# Altium PCB ZYNQ-7000_SOM_Bd.PcbDoc (part 3 of 6)
Units mm, origin at the board's own origin, x right, y up, seen from the top; angles counter-clockwise.
Board outline 69.6 x 45 mm, 8 copper layers (L1 (Sig), L2 (GND), L3 (PWR), L4 (Sig), L5 (GND), L6 (Sig), L7 (GND), L8 (Sig)), stack 1.188 mm thick; 246 components, 201 nets, 1392 pads, 883 vias.
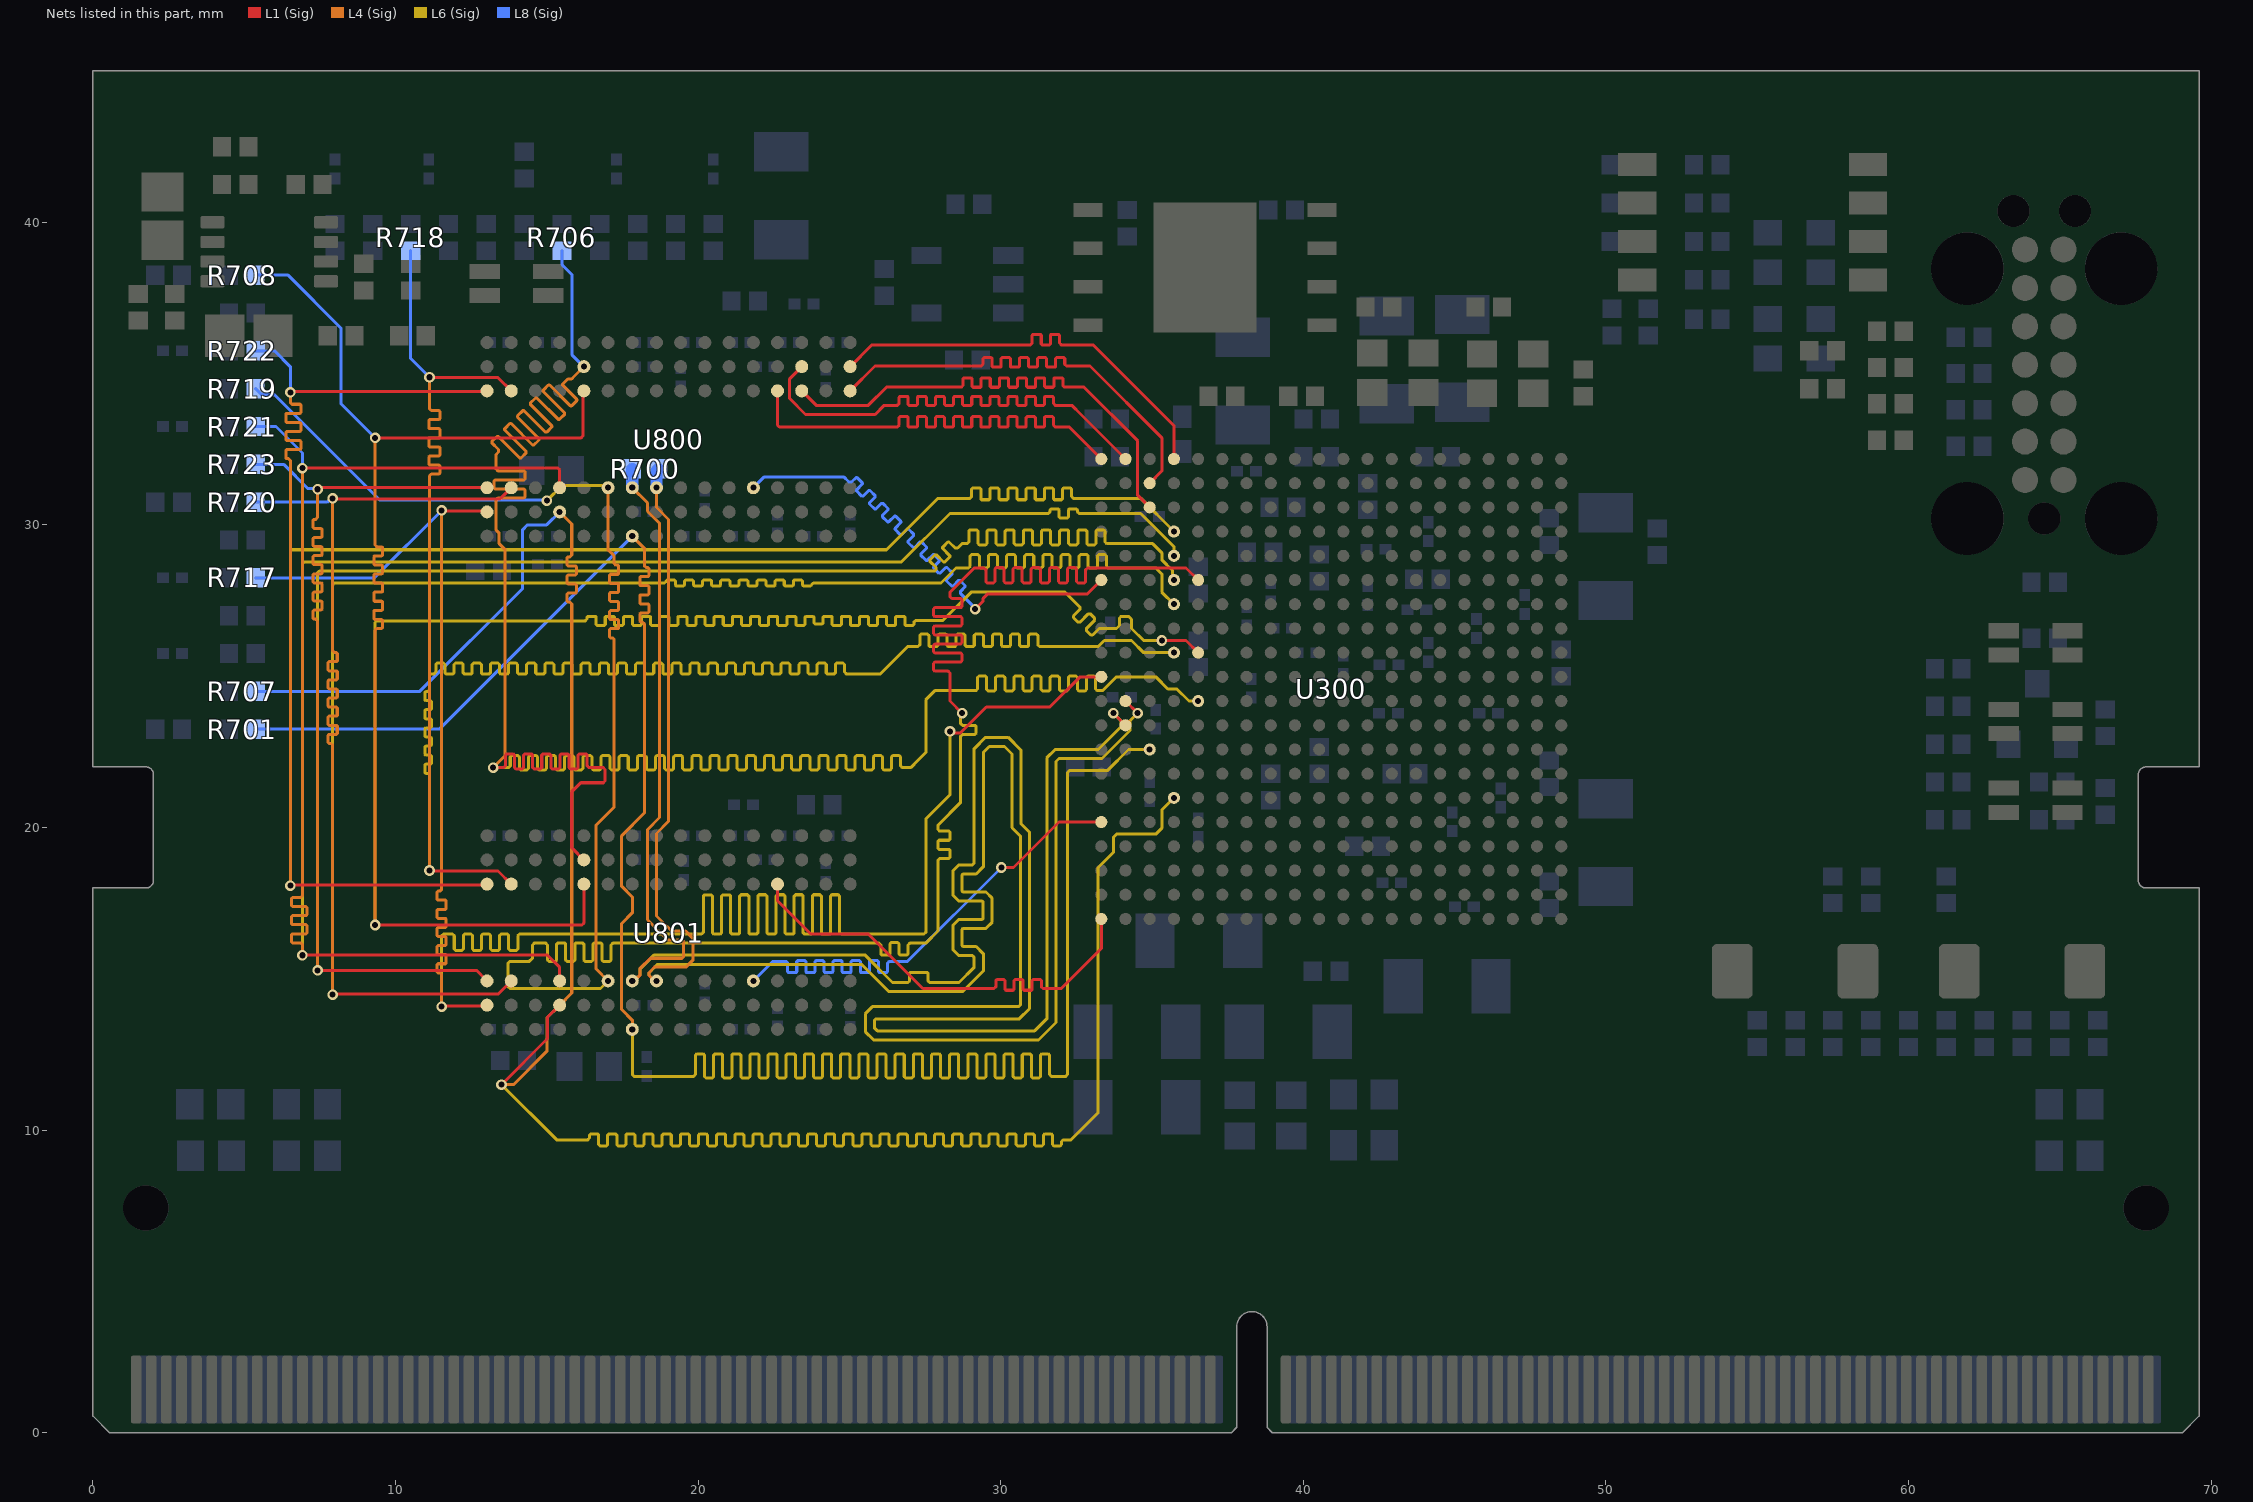
[diagram p9: the nets of this part, all layers, seen from the top]

## Via types
v1: diameter 0.35, hole 0.2, L1 (Sig) to L8 (Sig), tented both sides, 876 vias
v2: diameter 0.45, hole 0.3, L1 (Sig) to L8 (Sig), tented both sides, 7 vias

## Nets (pads, with @x,y where several pads share a name; then routed paths per layer and width w, separated by ;. In a path a pad name is that pad's centre, name@x,y a point inside that pad or via, vN(x,y) a via of type N, cw(c..) or ccw(c..) an arc to the next point about the centre after c; other vN are vias at no path point) (continued)
DDR_A8: R717.1 U300.K1 U800.T8 U801.T8 | length 83.8
  L1 (Sig) w0.1: v1(11.523,14.077) 11.548,14.102 12.998,14.102 U801.T8@13.023,14.127 ; v1(11.523,30.477) 11.548,30.452 12.998,30.452 U800.T8@13.023,30.427 ; v1(28.323,23.177) 28.371,23.129 28.454,23.129 28.457,23.127 28.673,23.127 29.523,23.977 31.623,23.977 32.623,24.977 U300.K1@33.323,24.977
  L4 (Sig) w0.1: v1(11.523,14.077) 11.523,15.087 11.523,15.137 11.464,15.196 11.403,15.196 11.373,15.226 11.373,15.466 11.403,15.496 11.643,15.496 11.673,15.526 11.673,15.766 11.643,15.796 11.403,15.796 11.373,15.826 11.373,16.066 11.403,16.096 11.643,16.096 11.673,16.126 11.673,16.366 11.643,16.396 11.403,16.396 11.373,16.426 11.373,16.666 11.403,16.696 11.643,16.696 11.673,16.726 11.673,16.966 11.643,16.996 11.403,16.996 11.373,17.026 11.373,17.266 11.403,17.296 11.643,17.296 11.673,17.326 11.673,17.566 11.643,17.596 11.403,17.596 11.373,17.626 11.373,17.866 11.403,17.896 11.464,17.896 11.523,17.954 11.523,18.177 v1(11.523,30.477)
  L6 (Sig) w0.1: v1(11.523,14.077) 11.523,16.419 11.531,16.427 11.581,16.477 11.881,16.477 11.939,16.419 11.939,15.981 11.984,15.936 12.194,15.936 12.239,15.981 12.239,16.435 12.284,16.48 12.494,16.48 12.539,16.435 12.539,15.981 12.584,15.936 12.794,15.936 12.839,15.981 12.839,16.435 12.884,16.48 13.094,16.48 13.139,16.435 13.139,15.981 13.184,15.936 13.394,15.936 13.439,15.981 13.439,16.435 13.484,16.48 13.694,16.48 13.739,16.435 13.739,15.981 13.784,15.936 13.994,15.936 14.039,15.981 14.039,16.419 14.098,16.477 14.228,16.477 20.064,16.477 20.114,16.477 20.173,16.536 20.173,17.73 20.218,17.775 20.428,17.775 20.473,17.73 20.473,16.518 20.518,16.473 20.728,16.473 20.773,16.518 20.773,17.73 20.818,17.775 21.028,17.775 21.073,17.73 21.073,16.518 21.118,16.473 21.328,16.473 21.373,16.518 21.373,17.731 21.418,17.776 21.628,17.776 21.673,17.731 21.673,16.518 21.718,16.473 21.928,16.473 21.973,16.518 21.973,17.731 22.018,17.776 22.228,17.776 22.273,17.731 22.273,16.518 22.318,16.473 22.528,16.473 22.573,16.518 22.573,17.731 22.618,17.776 22.828,17.776 22.873,17.731 22.873,16.518 22.918,16.473 23.128,16.473 23.173,16.518 23.173,17.731 23.218,17.776 23.428,17.776 23.473,17.731 23.473,16.518 23.518,16.473 23.728,16.473 23.773,16.518 23.773,17.731 23.818,17.776 24.028,17.776 24.073,17.731 24.073,16.518 24.118,16.473 24.328,16.473 24.373,16.518 24.373,17.731 24.418,17.776 24.628,17.776 24.673,17.731 24.673,16.536 24.731,16.477 25.13,16.477 27.464,16.477 27.523,16.536 27.523,20.277 28.323,21.077 v1(28.323,23.177)
  L8 (Sig) w0.1: R717.1@5.38,28.25 9.296,28.25 v1(11.523,30.477)
DDR_A9: R718.1 U300.J4 U800.R3 U801.R3 | length 82
  L1 (Sig) w0.1: v1(11.123,18.577) 11.138,18.562 13.388,18.562 U801.R3@13.823,18.127 ; v1(11.123,34.877) 11.138,34.862 13.388,34.862 U800.R3@13.823,34.427
  L4 (Sig) w0.1: v1(11.123,18.577) 11.123,31.269 11.123,31.619 11.181,31.678 11.442,31.678 11.472,31.708 11.472,31.948 11.442,31.978 11.13,31.978 11.1,32.008 11.1,32.248 11.13,32.278 11.442,32.278 11.472,32.308 11.472,32.548 11.442,32.578 11.13,32.578 11.1,32.608 11.1,32.848 11.13,32.878 11.442,32.878 11.472,32.908 11.472,33.148 11.442,33.178 11.13,33.178 11.1,33.208 11.1,33.448 11.13,33.478 11.442,33.478 11.472,33.508 11.472,33.748 11.442,33.778 11.181,33.778 11.123,33.836 11.123,34.477 v1(11.123,34.877)
  L6 (Sig) w0.1: v1(11.123,18.577) 11.123,21.682 11.123,21.732 11.064,21.791 10.999,21.791 10.969,21.821 10.969,22.061 10.999,22.091 11.155,22.091 11.185,22.121 11.185,22.361 11.155,22.391 10.999,22.391 10.969,22.421 10.969,22.661 10.999,22.691 11.155,22.691 11.185,22.721 11.185,22.961 11.155,22.991 10.999,22.991 10.969,23.021 10.969,23.261 10.999,23.291 11.155,23.291 11.185,23.321 11.185,23.561 11.155,23.591 10.999,23.591 10.969,23.621 10.969,23.861 10.999,23.891 11.155,23.891 11.185,23.921 11.185,24.161 11.155,24.191 10.999,24.191 10.969,24.221 10.969,24.461 10.999,24.491 11.064,24.491 11.123,24.549 11.123,24.979 11.123,25.019 11.181,25.077 11.224,25.077 11.274,25.077 11.333,25.136 11.333,25.389 11.378,25.434 11.588,25.434 11.633,25.389 11.633,25.111 11.678,25.066 11.888,25.066 11.933,25.111 11.933,25.389 11.978,25.434 12.188,25.434 12.233,25.389 12.233,25.111 12.278,25.066 12.488,25.066 12.533,25.111 12.533,25.389 12.578,25.434 12.788,25.434 12.833,25.389 12.833,25.111 12.878,25.066 13.088,25.066 13.133,25.111 13.133,25.389 13.178,25.434 13.388,25.434 13.433,25.389 13.433,25.111 13.478,25.066 13.688,25.066 13.733,25.111 13.733,25.389 13.778,25.434 13.988,25.434 14.033,25.389 14.033,25.111 14.078,25.066 14.288,25.066 14.333,25.111 14.333,25.389 14.378,25.434 14.588,25.434 14.633,25.389 14.633,25.111 14.678,25.066 14.888,25.066 14.933,25.111 14.933,25.389 14.978,25.434 15.188,25.434 15.233,25.389 15.233,25.111 15.278,25.066 15.488,25.066 15.533,25.111 15.533,25.389 15.578,25.434 15.788,25.434 15.833,25.389 15.833,25.111 15.878,25.066 16.088,25.066 16.133,25.111 16.133,25.389 16.178,25.434 16.388,25.434 16.433,25.389 16.433,25.111 16.478,25.066 16.688,25.066 16.733,25.111 16.733,25.389 16.778,25.434 16.988,25.434 17.033,25.389 17.033,25.111 17.078,25.066 17.288,25.066 17.333,25.111 17.333,25.389 17.378,25.434 17.588,25.434 17.633,25.389 17.633,25.111 17.678,25.066 17.888,25.066 17.933,25.111 17.933,25.389 17.978,25.434 18.188,25.434 18.233,25.389 18.233,25.111 18.278,25.066 18.488,25.066 18.533,25.111 18.533,25.389 18.578,25.434 18.788,25.434 18.833,25.389 18.833,25.111 18.878,25.066 19.088,25.066 19.133,25.111 19.133,25.389 19.178,25.434 19.388,25.434 19.433,25.389 19.433,25.111 19.478,25.066 19.688,25.066 19.733,25.111 19.733,25.389 19.778,25.434 19.988,25.434 20.033,25.389 20.033,25.111 20.078,25.066 20.288,25.066 20.333,25.111 20.333,25.389 20.378,25.434 20.588,25.434 20.633,25.389 20.633,25.111 20.678,25.066 20.888,25.066 20.933,25.111 20.933,25.389 20.978,25.434 21.188,25.434 21.233,25.389 21.233,25.111 21.278,25.066 21.488,25.066 21.533,25.111 21.533,25.389 21.578,25.434 21.788,25.434 21.833,25.389 21.833,25.111 21.878,25.066 22.088,25.066 22.133,25.111 22.133,25.389 22.178,25.434 22.388,25.434 22.433,25.389 22.433,25.111 22.478,25.066 22.688,25.066 22.733,25.111 22.733,25.389 22.778,25.434 22.988,25.434 23.033,25.389 23.033,25.111 23.078,25.066 23.288,25.066 23.333,25.111 23.333,25.389 23.378,25.434 23.588,25.434 23.633,25.389 23.633,25.111 23.678,25.066 23.888,25.066 23.933,25.111 23.933,25.389 23.978,25.434 24.188,25.434 24.233,25.389 24.233,25.111 24.278,25.066 24.488,25.066 24.533,25.111 24.533,25.389 24.578,25.434 24.788,25.434 24.833,25.389 24.833,25.136 24.891,25.078 25.077,25.078 25.127,25.078 26.023,25.078 26.923,25.977 27.216,25.977 27.266,25.977 27.324,26.036 27.324,26.348 27.369,26.393 27.579,26.393 27.624,26.348 27.624,26.02 27.669,25.975 27.879,25.975 27.924,26.02 27.924,26.348 27.969,26.393 28.179,26.393 28.224,26.348 28.224,26.02 28.269,25.975 28.479,25.975 28.524,26.02 28.524,26.348 28.569,26.393 28.779,26.393 28.824,26.348 28.824,26.02 28.869,25.975 29.079,25.975 29.124,26.02 29.124,26.348 29.169,26.393 29.379,26.393 29.424,26.348 29.424,26.02 29.469,25.975 29.679,25.975 29.724,26.02 29.724,26.348 29.769,26.393 29.979,26.393 30.024,26.348 30.024,26.02 30.069,25.975 30.279,25.975 30.324,26.02 30.324,26.348 30.369,26.393 30.579,26.393 30.624,26.348 30.624,26.02 30.669,25.975 30.879,25.975 30.924,26.02 30.924,26.348 30.969,26.393 31.179,26.393 31.224,26.348 31.224,26.036 31.283,25.977 31.604,25.977 33.223,25.977 33.423,26.177 34.323,26.177 34.723,25.777 v1(35.723,25.777)
  L8 (Sig) w0.1: R718.1@10.5,39.06 10.5,35.5 v1(11.123,34.877)
DDR_A10: R719.1 U300.F5 U800.L7 U801.L7 | length 92.5
  L1 (Sig) w0.1: 28.323,27.776 28.323,27.623 28.381,27.565 28.678,27.565 28.723,27.52 28.723,27.31 28.678,27.265 27.821,27.265 27.776,27.22 27.776,27.01 27.821,26.965 28.678,26.965 28.723,26.92 28.723,26.71 28.678,26.665 27.821,26.665 27.776,26.62 27.776,26.41 27.821,26.365 28.678,26.365 28.723,26.32 28.723,26.11 28.678,26.065 27.821,26.065 27.776,26.02 27.776,25.81 27.821,25.765 28.678,25.765 28.723,25.72 28.723,25.51 28.678,25.465 27.821,25.465 27.776,25.42 27.776,25.21 27.821,25.165 28.264,25.165 28.323,25.106 28.323,25.056 28.323,24.177 v1(28.723,23.777) ; 28.323,27.777 29.098,28.552 29.123,28.577 29.448,28.577 29.506,28.519 29.506,28.126 29.551,28.081 29.761,28.081 29.806,28.126 29.806,28.548 29.851,28.593 30.061,28.593 30.106,28.548 30.106,28.126 30.151,28.081 30.361,28.081 30.406,28.126 30.406,28.548 30.451,28.593 30.661,28.593 30.706,28.548 30.706,28.126 30.751,28.081 30.961,28.081 31.006,28.126 31.006,28.548 31.051,28.593 31.261,28.593 31.306,28.548 31.306,28.126 31.351,28.081 31.561,28.081 31.606,28.126 31.606,28.548 31.651,28.593 31.861,28.593 31.906,28.548 31.906,28.126 31.951,28.081 32.161,28.081 32.206,28.126 32.206,28.548 32.251,28.593 32.461,28.593 32.506,28.548 32.506,28.126 32.551,28.081 32.761,28.081 32.806,28.126 32.806,28.519 32.865,28.577 32.938,28.577 36.123,28.577 U300.F5@36.523,28.177
  L4 (Sig) w0.1: v1(17.023,14.927) 16.623,15.327 16.623,20.077 17.223,20.677 17.223,26.16 17.223,26.21 17.164,26.268 17.103,26.268 17.073,26.298 17.073,26.538 17.103,26.568 17.343,26.568 17.373,26.598 17.373,26.838 17.343,26.868 17.103,26.868 17.073,26.898 17.073,27.138 17.103,27.168 17.343,27.168 17.373,27.198 17.373,27.438 17.343,27.468 17.103,27.468 17.073,27.498 17.073,27.738 17.103,27.768 17.343,27.768 17.373,27.798 17.373,28.038 17.343,28.068 17.103,28.068 17.073,28.098 17.073,28.338 17.103,28.368 17.343,28.368 17.373,28.398 17.373,28.638 17.343,28.668 17.281,28.668 17.223,28.727 17.223,28.777 17.223,28.977 17.023,29.177 v1(17.023,31.227)
  L6 (Sig) w0.1: v1(15,30.8) 15.5,31.3 16.839,31.3 16.864,31.275 16.975,31.275 v1(17.023,31.227) ; v1(17.023,14.927) 16.773,14.677 13.781,14.677 13.723,14.736 13.723,15.519 13.781,15.577 14.423,15.577 14.523,15.677 14.523,16.119 14.581,16.177 14.614,16.177 14.964,16.177 15.023,16.119 15.023,15.614 15.068,15.569 15.278,15.569 15.323,15.614 15.323,16.14 15.368,16.185 15.578,16.185 15.623,16.14 15.623,15.614 15.668,15.569 15.878,15.569 15.923,15.614 15.923,16.14 15.968,16.185 16.178,16.185 16.223,16.14 16.223,15.614 16.268,15.569 16.478,15.569 16.523,15.614 16.523,16.14 16.568,16.185 16.778,16.185 16.823,16.14 16.823,15.614 16.868,15.569 17.078,15.569 17.123,15.614 17.123,16.119 17.181,16.177 17.415,16.177 25.628,16.177 25.978,16.177 26.036,16.119 26.036,15.822 26.081,15.777 26.291,15.777 26.336,15.822 26.336,16.153 26.381,16.198 26.591,16.198 26.636,16.153 26.636,15.822 26.681,15.777 26.891,15.777 26.936,15.822 26.936,16.119 26.995,16.177 27.27,16.177 27.523,16.177 27.923,16.577 27.923,18.569 27.923,18.919 27.981,18.977 28.282,18.977 28.327,19.022 28.327,19.232 28.282,19.277 27.964,19.277 27.919,19.322 27.919,19.532 27.964,19.577 28.282,19.577 28.327,19.622 28.327,19.832 28.282,19.877 27.981,19.877 27.923,19.936 27.923,20.069 27.923,20.077 28.675,20.829 28.675,22.664 28.675,23.014 28.733,23.073 29.143,23.073 29.188,23.118 29.188,23.328 29.143,23.373 28.733,23.373 28.675,23.431 28.675,23.564 28.675,23.594 28.675,23.729 v1(28.723,23.777)
  L8 (Sig) w0.1: R719.1@5.38,34.5 5.58,34.3 6,34.3 9.471,30.829 14.971,30.829 v1(15,30.8)
DDR_A11: R720.1 U300.G4 U800.R7 U801.R7 | length 84.9
  L1 (Sig) w0.1: v1(7.923,14.477) 7.938,14.492 13.388,14.492 U801.R7@13.823,14.927 ; v1(7.923,30.877) 7.938,30.862 13.458,30.862 U800.R7@13.823,31.227
  L4 (Sig) w0.1: v1(7.923,14.477) 7.923,22.668 7.923,22.718 7.864,22.777 7.803,22.777 7.773,22.807 7.773,23.047 7.803,23.077 8.043,23.077 8.073,23.107 8.073,23.347 8.043,23.377 7.803,23.377 7.773,23.407 7.773,23.647 7.803,23.677 8.043,23.677 8.073,23.707 8.073,23.947 8.043,23.977 7.803,23.977 7.773,24.007 7.773,24.247 7.803,24.277 8.043,24.277 8.073,24.307 8.073,24.547 8.043,24.577 7.803,24.577 7.773,24.607 7.773,24.847 7.803,24.877 8.043,24.877 8.073,24.907 8.073,25.147 8.043,25.177 7.803,25.177 7.773,25.207 7.773,25.447 7.803,25.477 8.043,25.477 8.073,25.507 8.073,25.747 8.043,25.777 7.981,25.777 7.923,25.835 7.923,26.077 v1(7.923,30.877)
  L6 (Sig) w0.1: v1(7.923,14.477) 7.923,28.019 7.981,28.077 18.837,28.077 18.887,28.077 18.945,28.136 18.945,28.147 18.975,28.177 19.215,28.177 19.245,28.147 19.245,28.007 19.275,27.977 19.515,27.977 19.545,28.007 19.545,28.147 19.575,28.177 19.815,28.177 19.845,28.147 19.845,28.007 19.875,27.977 20.115,27.977 20.145,28.007 20.145,28.147 20.175,28.177 20.415,28.177 20.445,28.147 20.445,28.007 20.475,27.977 20.715,27.977 20.745,28.007 20.745,28.147 20.775,28.177 21.015,28.177 21.045,28.147 21.045,28.007 21.075,27.977 21.315,27.977 21.345,28.007 21.345,28.147 21.375,28.177 21.615,28.177 21.645,28.147 21.645,28.007 21.675,27.977 21.915,27.977 21.945,28.007 21.945,28.147 21.975,28.177 22.215,28.177 22.245,28.147 22.245,28.007 22.275,27.977 22.515,27.977 22.545,28.007 22.545,28.147 22.575,28.177 22.815,28.177 22.845,28.147 22.845,28.007 22.875,27.977 23.115,27.977 23.145,28.007 23.145,28.147 23.175,28.177 23.415,28.177 23.445,28.147 23.445,28.007 23.475,27.977 23.715,27.977 23.745,28.007 23.745,28.019 23.804,28.077 24.03,28.077 28.023,28.077 28.523,28.577 28.882,28.577 28.932,28.577 28.99,28.636 28.99,28.969 29.035,29.014 29.245,29.014 29.29,28.969 29.29,28.619 29.335,28.574 29.545,28.574 29.59,28.619 29.59,28.969 29.635,29.014 29.845,29.014 29.89,28.969 29.89,28.619 29.935,28.574 30.145,28.574 30.19,28.619 30.19,28.969 30.235,29.014 30.445,29.014 30.49,28.969 30.49,28.619 30.535,28.574 30.745,28.574 30.79,28.619 30.79,28.969 30.835,29.014 31.045,29.014 31.09,28.969 31.09,28.619 31.135,28.574 31.345,28.574 31.39,28.619 31.39,28.969 31.435,29.014 31.645,29.014 31.69,28.969 31.69,28.619 31.735,28.574 31.945,28.574 31.99,28.619 31.99,28.969 32.035,29.014 32.245,29.014 32.29,28.969 32.29,28.619 32.335,28.574 32.545,28.574 32.59,28.619 32.59,28.969 32.635,29.014 32.845,29.014 32.89,28.969 32.89,28.619 32.935,28.574 33.145,28.574 33.19,28.619 33.19,28.969 33.235,29.014 33.445,29.014 33.49,28.969 33.49,28.636 33.549,28.577 33.792,28.577 35.123,28.577 35.323,28.377 35.323,27.777 v1(35.723,27.377)
  L8 (Sig) w0.1: R720.1@5.38,30.75 7.739,30.75 7.866,30.877 v1(7.923,30.877)
DDR_A12: R721.1 U300.E4 U800.N7 U801.N7 | length 83.1
  L1 (Sig) w0.1: v1(6.923,15.777) 15.023,15.777 15.423,15.377 U801.N7@15.423,14.927 ; v1(6.923,31.877) 15.364,31.877 15.423,31.819 U800.N7@15.423,31.227
  L4 (Sig) w0.1: v1(6.923,15.777) 6.923,16.077 6.923,16.127 6.864,16.186 6.595,16.186 6.565,16.216 6.565,16.456 6.595,16.486 7.043,16.486 7.073,16.516 7.073,16.756 7.043,16.786 6.595,16.786 6.565,16.816 6.565,17.056 6.595,17.086 7.043,17.086 7.073,17.116 7.073,17.356 7.043,17.386 6.595,17.386 6.565,17.416 6.565,17.656 6.595,17.686 6.864,17.686 6.923,17.744 6.923,17.882 v1(6.923,31.877)
  L6 (Sig) w0.1: v1(6.923,15.777) 6.923,28.719 6.981,28.777 26.723,28.777 28.323,30.377 31.523,30.377 31.573,30.377 31.631,30.436 31.631,30.497 31.661,30.527 31.901,30.527 31.931,30.497 31.931,30.257 31.961,30.227 32.201,30.227 32.231,30.257 32.231,30.497 32.261,30.527 32.501,30.527 32.531,30.497 32.531,30.436 32.59,30.377 32.815,30.377 34.623,30.377 35.723,29.277 v1(35.723,28.977)
  L8 (Sig) w0.1: R721.1@5.38,33.25 6.05,33.25 6.923,32.377 v1(6.923,31.877)
DDR_A13: R722.1 U300.D4 U800.T3 U801.T3 | length 79.8
  L1 (Sig) w0.1: v1(6.523,18.077) 6.548,18.102 12.998,18.102 U801.T3@13.023,18.127 ; v1(6.523,34.377) 6.548,34.402 12.998,34.402 U800.T3@13.023,34.427
  L4 (Sig) w0.1: v1(6.523,18.077) 6.523,32.077 6.523,32.127 6.464,32.186 6.403,32.186 6.373,32.216 6.373,32.456 6.403,32.486 6.846,32.486 6.876,32.516 6.876,32.756 6.846,32.786 6.403,32.786 6.373,32.816 6.373,33.056 6.403,33.086 6.846,33.086 6.876,33.116 6.876,33.356 6.846,33.386 6.403,33.386 6.373,33.416 6.373,33.656 6.403,33.686 6.846,33.686 6.876,33.716 6.876,33.956 6.846,33.986 6.581,33.986 6.523,34.044 6.523,34.177 v1(6.523,34.377)
  L6 (Sig) w0.1: v1(6.523,18.077) 6.523,29.119 6.581,29.177 26.223,29.177 27.923,30.877 28.931,30.877 28.981,30.877 29.04,30.936 29.04,31.187 29.07,31.217 29.31,31.217 29.34,31.187 29.34,30.86 29.37,30.83 29.61,30.83 29.64,30.86 29.64,31.187 29.67,31.217 29.91,31.217 29.94,31.187 29.94,30.86 29.97,30.83 30.21,30.83 30.24,30.86 30.24,31.187 30.27,31.217 30.51,31.217 30.54,31.187 30.54,30.86 30.57,30.83 30.81,30.83 30.84,30.86 30.84,31.187 30.87,31.217 31.11,31.217 31.14,31.187 31.14,30.86 31.17,30.83 31.41,30.83 31.44,30.86 31.44,31.187 31.47,31.217 31.71,31.217 31.74,31.187 31.74,30.86 31.77,30.83 32.01,30.83 32.04,30.86 32.04,31.187 32.07,31.217 32.31,31.217 32.34,31.187 32.34,30.936 32.398,30.877 32.823,30.877 34.623,30.877 v1(35.723,29.777)
  L8 (Sig) w0.1: R722.1@5.38,35.75 6,35.75 6.523,35.227 v1(6.523,34.377)
DDR_A14: R723.1 U300.F4 U800.T7 U801.T7 | length 83.5
  L1 (Sig) w0.1: v1(7.423,15.277) 12.673,15.277 U801.T7@13.023,14.927 ; v1(7.423,31.177) 7.49,31.177 7.542,31.229 13.021,31.229 U800.T7@13.023,31.227
  L4 (Sig) w0.1: v1(7.423,15.277) 7.423,26.774 7.423,26.824 7.364,26.883 7.303,26.883 7.273,26.913 7.273,27.153 7.303,27.183 7.543,27.183 7.573,27.213 7.573,27.453 7.543,27.483 7.303,27.483 7.273,27.513 7.273,27.753 7.303,27.783 7.543,27.783 7.573,27.813 7.573,28.053 7.543,28.083 7.303,28.083 7.273,28.113 7.273,28.353 7.303,28.383 7.543,28.383 7.573,28.413 7.573,28.653 7.543,28.683 7.303,28.683 7.273,28.713 7.273,28.953 7.303,28.983 7.543,28.983 7.573,29.013 7.573,29.253 7.543,29.283 7.303,29.283 7.273,29.313 7.273,29.553 7.303,29.583 7.543,29.583 7.573,29.613 7.573,29.853 7.543,29.883 7.303,29.883 7.273,29.913 7.273,30.153 7.303,30.183 7.364,30.183 7.423,30.241 7.423,30.577 v1(7.423,31.177)
  L6 (Sig) w0.1: v1(7.423,15.277) 7.423,28.419 7.481,28.477 27.823,28.477 27.858,28.513 27.858,28.595 27.656,28.797 27.656,28.84 27.826,29.01 27.868,29.01 28.107,28.771 28.149,28.771 28.319,28.941 28.319,28.983 28.08,29.222 28.08,29.264 28.25,29.434 28.293,29.434 28.495,29.232 28.577,29.232 28.623,29.277 28.723,29.377 28.837,29.377 28.887,29.377 28.945,29.436 28.945,29.792 28.99,29.837 29.2,29.837 29.245,29.792 29.245,29.382 29.29,29.337 29.5,29.337 29.545,29.382 29.545,29.792 29.59,29.837 29.8,29.837 29.845,29.792 29.845,29.382 29.89,29.337 30.1,29.337 30.145,29.382 30.145,29.792 30.19,29.837 30.4,29.837 30.445,29.792 30.445,29.382 30.49,29.337 30.7,29.337 30.745,29.382 30.745,29.792 30.79,29.837 31,29.837 31.045,29.792 31.045,29.382 31.09,29.337 31.3,29.337 31.345,29.382 31.345,29.792 31.39,29.837 31.6,29.837 31.645,29.792 31.645,29.382 31.69,29.337 31.9,29.337 31.945,29.382 31.945,29.792 31.99,29.837 32.2,29.837 32.245,29.792 32.245,29.382 32.29,29.337 32.5,29.337 32.545,29.382 32.545,29.792 32.59,29.837 32.8,29.837 32.845,29.792 32.845,29.382 32.89,29.337 33.1,29.337 33.145,29.382 33.145,29.792 33.19,29.837 33.4,29.837 33.445,29.792 33.445,29.436 33.504,29.377 34.014,29.377 35.021,29.377 35.323,29.075 35.323,28.845 35.675,28.493 35.675,28.225 v1(35.723,28.177)
  L8 (Sig) w0.1: R723.1@5.38,32 6.302,32 7.098,31.204 7.396,31.204 v1(7.423,31.177)
DDR_BA0: R706.1 U300.L5 U800.M2 U801.M2 | length 95.6
  L1 (Sig) w0.1: v1(13.223,21.977) 13.523,21.977 13.573,21.977 13.631,22.036 13.631,22.386 13.676,22.431 13.886,22.431 13.931,22.386 13.931,21.974 13.976,21.929 14.186,21.929 14.231,21.974 14.231,22.386 14.276,22.431 14.486,22.431 14.531,22.386 14.531,21.974 14.576,21.929 14.786,21.929 14.831,21.974 14.831,22.386 14.876,22.431 15.086,22.431 15.131,22.386 15.131,21.974 15.176,21.929 15.386,21.929 15.431,21.974 15.431,22.386 15.476,22.431 15.686,22.431 15.731,22.386 15.731,21.974 15.776,21.929 15.986,21.929 16.031,21.974 16.031,22.386 16.076,22.431 16.286,22.431 16.331,22.386 16.331,22.036 16.39,21.977 16.716,21.977 16.864,21.977 16.923,21.919 16.923,21.536 16.864,21.477 16.123,21.477 15.823,21.177 15.823,19.327 U801.M2@16.223,18.927
  L4 (Sig) w0.1: v1(13.223,21.977) 13.623,22.377 13.623,29.177 13.423,29.377 13.423,29.725 13.323,29.825 13.323,30.477 13.323,30.827 13.381,30.886 14.242,30.886 14.272,30.916 14.272,31.156 14.242,31.186 13.283,31.186 13.253,31.216 13.253,31.456 13.283,31.486 14.242,31.486 14.272,31.516 14.272,31.756 14.242,31.786 13.381,31.786 13.323,31.844 13.323,32.295 13.323,32.327 13.367,32.372 13.403,32.407 13.403,32.49 13.182,32.71 13.182,32.753 13.352,32.922 13.395,32.922 14.104,32.213 14.147,32.213 14.316,32.382 14.316,32.425 13.607,33.134 13.607,33.177 13.776,33.346 13.819,33.346 14.528,32.637 14.571,32.637 14.74,32.807 14.74,32.849 14.031,33.559 14.031,33.601 14.201,33.771 14.243,33.771 14.953,33.061 14.995,33.061 15.165,33.231 15.165,33.273 14.455,33.983 14.455,34.025 14.625,34.195 14.667,34.195 15.377,33.486 15.419,33.486 15.589,33.655 15.589,33.698 14.879,34.407 14.879,34.45 15.049,34.619 15.092,34.619 15.776,33.935 15.818,33.935 15.988,34.105 15.988,34.147 15.524,34.611 15.524,34.654 15.694,34.823 15.736,34.823 15.819,34.823 15.898,34.902 v1(16.223,35.227)
  L6 (Sig) w0.1: v1(13.223,21.977) 13.681,21.977 13.731,21.977 13.79,22.036 13.79,22.332 13.835,22.377 14.045,22.377 14.09,22.332 14.09,21.946 14.135,21.901 14.345,21.901 14.39,21.946 14.39,22.332 14.435,22.377 14.645,22.377 14.69,22.332 14.69,21.946 14.735,21.901 14.945,21.901 14.99,21.946 14.99,22.332 15.035,22.377 15.245,22.377 15.29,22.332 15.29,21.946 15.335,21.901 15.545,21.901 15.59,21.946 15.59,22.332 15.635,22.377 15.845,22.377 15.89,22.332 15.89,21.946 15.935,21.901 16.145,21.901 16.19,21.946 16.19,22.332 16.235,22.377 16.445,22.377 16.49,22.332 16.49,21.946 16.535,21.901 16.745,21.901 16.79,21.946 16.79,22.332 16.835,22.377 17.045,22.377 17.09,22.332 17.09,21.946 17.135,21.901 17.345,21.901 17.39,21.946 17.39,22.332 17.435,22.377 17.645,22.377 17.69,22.332 17.69,21.946 17.735,21.901 17.945,21.901 17.99,21.946 17.99,22.332 18.035,22.377 18.245,22.377 18.29,22.332 18.29,21.946 18.335,21.901 18.545,21.901 18.59,21.946 18.59,22.332 18.635,22.377 18.845,22.377 18.89,22.332 18.89,21.946 18.935,21.901 19.145,21.901 19.19,21.946 19.19,22.332 19.235,22.377 19.445,22.377 19.49,22.332 19.49,21.946 19.535,21.901 19.745,21.901 19.79,21.946 19.79,22.332 19.835,22.377 20.045,22.377 20.09,22.332 20.09,21.946 20.135,21.901 20.345,21.901 20.39,21.946 20.39,22.332 20.435,22.377 20.645,22.377 20.69,22.332 20.69,21.946 20.735,21.901 20.945,21.901 20.99,21.946 20.99,22.332 21.035,22.377 21.245,22.377 21.29,22.332 21.29,21.946 21.335,21.901 21.545,21.901 21.59,21.946 21.59,22.332 21.635,22.377 21.845,22.377 21.89,22.332 21.89,21.946 21.935,21.901 22.145,21.901 22.19,21.946 22.19,22.332 22.235,22.377 22.445,22.377 22.49,22.332 22.49,21.946 22.535,21.901 22.745,21.901 22.79,21.946 22.79,22.332 22.835,22.377 23.045,22.377 23.09,22.332 23.09,21.946 23.135,21.901 23.345,21.901 23.39,21.946 23.39,22.332 23.435,22.377 23.645,22.377 23.69,22.332 23.69,21.946 23.735,21.901 23.945,21.901 23.99,21.946 23.99,22.332 24.035,22.377 24.245,22.377 24.29,22.332 24.29,21.946 24.335,21.901 24.545,21.901 24.59,21.946 24.59,22.332 24.635,22.377 24.845,22.377 24.89,22.332 24.89,21.946 24.935,21.901 25.145,21.901 25.19,21.946 25.19,22.332 25.235,22.377 25.445,22.377 25.49,22.332 25.49,21.946 25.535,21.901 25.745,21.901 25.79,21.946 25.79,22.332 25.835,22.377 26.045,22.377 26.09,22.332 26.09,21.946 26.135,21.901 26.345,21.901 26.39,21.946 26.39,22.332 26.435,22.377 26.645,22.377 26.69,22.332 26.69,22.036 26.749,21.977 27.023,21.977 27.264,22.218 27.523,22.477 27.523,24.219 27.823,24.519 29.125,24.519 29.175,24.519 29.234,24.577 29.234,24.961 29.279,25.006 29.489,25.006 29.534,24.961 29.534,24.558 29.579,24.513 29.789,24.513 29.834,24.558 29.834,24.961 29.879,25.006 30.089,25.006 30.134,24.961 30.134,24.558 30.179,24.513 30.389,24.513 30.434,24.558 30.434,24.961 30.479,25.006 30.689,25.006 30.734,24.961 30.734,24.558 30.779,24.513 30.989,24.513 31.034,24.558 31.034,24.961 31.079,25.006 31.289,25.006 31.334,24.961 31.334,24.558 31.379,24.513 31.589,24.513 31.634,24.558 31.634,24.961 31.679,25.006 31.889,25.006 31.934,24.961 31.934,24.558 31.979,24.513 32.189,24.513 32.234,24.558 32.234,24.961 32.279,25.006 32.489,25.006 32.534,24.961 32.534,24.558 32.579,24.513 32.789,24.513 32.834,24.558 32.834,24.961 32.879,25.006 33.089,25.006 33.134,24.961 33.134,24.577 33.192,24.519 33.364,24.519 33.437,24.591 33.823,24.977 35.123,24.977 35.523,24.577 35.821,24.577 36.221,24.177 v1(36.523,24.177)
  L8 (Sig) w0.1: R706.1@15.5,39.06 15.5,38.6 15.825,38.275 15.825,35.625 v1(16.223,35.227)
DDR_BA1: R707.1 U300.R4 U800.N8 U801.N8 | length 89.6
  L1 (Sig) w0.1: v1(13.5,11.5) 15.024,13.024 15.024,13.728 U801.N8@15.423,14.127
  L4 (Sig) w0.1: v1(13.5,11.5) 13.9,11.5 15,12.6 15,13.7 15.423,14.123 15.423,14.127 15.823,14.527 15.823,27.336 15.823,27.386 15.764,27.444 15.703,27.444 15.673,27.474 15.673,27.714 15.703,27.744 15.943,27.744 15.973,27.774 15.973,28.014 15.943,28.044 15.703,28.044 15.673,28.074 15.673,28.314 15.703,28.344 15.943,28.344 15.973,28.374 15.973,28.614 15.943,28.644 15.703,28.644 15.673,28.674 15.673,28.914 15.703,28.944 15.764,28.944 15.823,29.003 15.823,29.077 15.823,30.027 v1(15.423,30.427)
  L6 (Sig) w0.1: v1(13.5,11.5) 15.323,9.677 16.302,9.677 16.352,9.677 16.411,9.736 16.411,9.832 16.456,9.877 16.666,9.877 16.711,9.832 16.711,9.522 16.756,9.477 16.966,9.477 17.011,9.522 17.011,9.832 17.056,9.877 17.266,9.877 17.311,9.832 17.311,9.522 17.356,9.477 17.566,9.477 17.611,9.522 17.611,9.832 17.656,9.877 17.866,9.877 17.911,9.832 17.911,9.522 17.956,9.477 18.166,9.477 18.211,9.522 18.211,9.832 18.256,9.877 18.466,9.877 18.511,9.832 18.511,9.522 18.556,9.477 18.766,9.477 18.811,9.522 18.811,9.832 18.856,9.877 19.066,9.877 19.111,9.832 19.111,9.522 19.156,9.477 19.366,9.477 19.411,9.522 19.411,9.832 19.456,9.877 19.666,9.877 19.711,9.832 19.711,9.522 19.756,9.477 19.966,9.477 20.011,9.522 20.011,9.832 20.056,9.877 20.266,9.877 20.311,9.832 20.311,9.522 20.356,9.477 20.566,9.477 20.611,9.522 20.611,9.832 20.656,9.877 20.866,9.877 20.911,9.832 20.911,9.522 20.956,9.477 21.166,9.477 21.211,9.522 21.211,9.832 21.256,9.877 21.466,9.877 21.511,9.832 21.511,9.522 21.556,9.477 21.766,9.477 21.811,9.522 21.811,9.832 21.856,9.877 22.066,9.877 22.111,9.832 22.111,9.522 22.156,9.477 22.366,9.477 22.411,9.522 22.411,9.832 22.456,9.877 22.666,9.877 22.711,9.832 22.711,9.522 22.756,9.477 22.966,9.477 23.011,9.522 23.011,9.832 23.056,9.877 23.266,9.877 23.311,9.832 23.311,9.522 23.356,9.477 23.566,9.477 23.611,9.522 23.611,9.832 23.656,9.877 23.866,9.877 23.911,9.832 23.911,9.522 23.956,9.477 24.166,9.477 24.211,9.522 24.211,9.832 24.256,9.877 24.466,9.877 24.511,9.832 24.511,9.522 24.556,9.477 24.766,9.477 24.811,9.522 24.811,9.832 24.856,9.877 25.066,9.877 25.111,9.832 25.111,9.522 25.156,9.477 25.366,9.477 25.411,9.522 25.411,9.832 25.456,9.877 25.666,9.877 25.711,9.832 25.711,9.522 25.756,9.477 25.966,9.477 26.011,9.522 26.011,9.832 26.056,9.877 26.266,9.877 26.311,9.832 26.311,9.522 26.356,9.477 26.566,9.477 26.611,9.522 26.611,9.832 26.656,9.877 26.866,9.877 26.911,9.832 26.911,9.522 26.956,9.477 27.166,9.477 27.211,9.522 27.211,9.832 27.256,9.877 27.466,9.877 27.511,9.832 27.511,9.522 27.556,9.477 27.766,9.477 27.811,9.522 27.811,9.832 27.856,9.877 28.066,9.877 28.111,9.832 28.111,9.522 28.156,9.477 28.366,9.477 28.411,9.522 28.411,9.832 28.456,9.877 28.666,9.877 28.711,9.832 28.711,9.522 28.756,9.477 28.966,9.477 29.011,9.522 29.011,9.832 29.056,9.877 29.266,9.877 29.311,9.832 29.311,9.522 29.356,9.477 29.566,9.477 29.611,9.522 29.611,9.832 29.656,9.877 29.866,9.877 29.911,9.832 29.911,9.522 29.956,9.477 30.166,9.477 30.211,9.522 30.211,9.832 30.256,9.877 30.466,9.877 30.511,9.832 30.511,9.522 30.556,9.477 30.766,9.477 30.811,9.522 30.811,9.832 30.856,9.877 31.066,9.877 31.111,9.832 31.111,9.522 31.156,9.477 31.366,9.477 31.411,9.522 31.411,9.832 31.456,9.877 31.666,9.877 31.711,9.832 31.711,9.522 31.756,9.477 31.966,9.477 32.011,9.522 32.011,9.619 32.069,9.677 32.323,9.677 32.332,9.686 33.209,10.563 33.209,18.663 33.723,19.177 33.723,19.677 33.823,19.777 35.123,19.777 35.323,19.977 35.323,20.577 v1(35.723,20.977)
  L8 (Sig) w0.1: R707.1@5.38,24.5 10.8,24.5 14.2,27.9 14.2,29.841 14.359,30 14.996,30 v1(15.423,30.427)
DDR_BA2: R708.1 U300.J5 U800.M3 U801.M3 | length 92.8
  L1 (Sig) w0.1: v1(9.323,16.777) 16.164,16.777 16.223,16.836 U801.M3@16.223,18.127 ; v1(9.323,32.877) 16.132,32.877 16.191,32.936 16.191,34.395 U800.M3@16.223,34.427 ; v1(35.323,26.177) 36.123,26.177 U300.J5@36.523,25.777
  L4 (Sig) w0.1: v1(9.323,16.777) 9.323,26.167 9.323,26.517 9.381,26.575 9.543,26.575 9.573,26.605 9.573,26.845 9.543,26.875 9.31,26.875 9.28,26.905 9.28,27.145 9.31,27.175 9.543,27.175 9.573,27.205 9.573,27.445 9.543,27.475 9.31,27.475 9.28,27.505 9.28,27.745 9.31,27.775 9.543,27.775 9.573,27.805 9.573,28.045 9.543,28.075 9.31,28.075 9.28,28.105 9.28,28.345 9.31,28.375 9.543,28.375 9.573,28.405 9.573,28.645 9.543,28.675 9.31,28.675 9.28,28.705 9.28,28.945 9.31,28.975 9.543,28.975 9.573,29.005 9.573,29.245 9.543,29.275 9.381,29.275 9.323,29.334 9.323,29.647 v1(9.323,32.877)
  L6 (Sig) w0.1: v1(9.323,16.777) 9.323,26.771 9.381,26.829 16.221,26.829 16.271,26.829 16.329,26.888 16.329,26.949 16.359,26.979 16.599,26.979 16.629,26.949 16.629,26.709 16.659,26.679 16.899,26.679 16.929,26.709 16.929,26.949 16.959,26.979 17.199,26.979 17.229,26.949 17.229,26.709 17.259,26.679 17.499,26.679 17.529,26.709 17.529,26.949 17.559,26.979 17.799,26.979 17.829,26.949 17.829,26.709 17.859,26.679 18.099,26.679 18.129,26.709 18.129,26.949 18.159,26.979 18.399,26.979 18.429,26.949 18.429,26.709 18.459,26.679 18.699,26.679 18.729,26.709 18.729,26.949 18.759,26.979 18.999,26.979 19.029,26.949 19.029,26.709 19.059,26.679 19.299,26.679 19.329,26.709 19.329,26.949 19.359,26.979 19.599,26.979 19.629,26.949 19.629,26.709 19.659,26.679 19.899,26.679 19.929,26.709 19.929,26.949 19.959,26.979 20.199,26.979 20.229,26.949 20.229,26.709 20.259,26.679 20.499,26.679 20.529,26.709 20.529,26.949 20.559,26.979 20.799,26.979 20.829,26.949 20.829,26.709 20.859,26.679 21.099,26.679 21.129,26.709 21.129,26.949 21.159,26.979 21.399,26.979 21.429,26.949 21.429,26.709 21.459,26.679 21.699,26.679 21.729,26.709 21.729,26.949 21.759,26.979 21.999,26.979 22.029,26.949 22.029,26.709 22.059,26.679 22.299,26.679 22.329,26.709 22.329,26.949 22.359,26.979 22.599,26.979 22.629,26.949 22.629,26.709 22.659,26.679 22.899,26.679 22.929,26.709 22.929,26.949 22.959,26.979 23.199,26.979 23.229,26.949 23.229,26.709 23.259,26.679 23.499,26.679 23.529,26.709 23.529,26.949 23.559,26.979 23.799,26.979 23.829,26.949 23.829,26.759 23.859,26.729 24.099,26.729 24.129,26.759 24.129,26.949 24.159,26.979 24.399,26.979 24.429,26.949 24.429,26.709 24.459,26.679 24.699,26.679 24.729,26.709 24.729,26.949 24.759,26.979 24.999,26.979 25.029,26.949 25.029,26.709 25.059,26.679 25.299,26.679 25.329,26.709 25.329,26.949 25.359,26.979 25.599,26.979 25.629,26.949 25.629,26.709 25.659,26.679 25.899,26.679 25.929,26.709 25.929,26.949 25.959,26.979 26.199,26.979 26.229,26.949 26.229,26.709 26.259,26.679 26.499,26.679 26.529,26.709 26.529,26.949 26.559,26.979 26.799,26.979 26.829,26.949 26.829,26.709 26.859,26.679 27.099,26.679 27.129,26.709 27.129,26.782 27.188,26.841 27.194,26.841 27.244,26.841 28.087,26.842 29.023,27.777 32.123,27.777 32.366,27.534 32.613,27.287 32.613,27.204 32.403,26.994 32.403,26.931 32.552,26.782 32.616,26.782 32.894,27.06 32.957,27.06 33.106,26.912 33.106,26.848 32.828,26.57 32.828,26.506 32.976,26.358 33.04,26.358 33.259,26.577 33.502,26.577 33.823,26.577 33.923,26.677 33.923,26.919 33.981,26.977 34.223,26.977 34.323,26.877 34.323,26.577 34.723,26.177 v1(35.323,26.177)
  L8 (Sig) w0.1: R708.1@5.38,38.25 6.45,38.25 8.2,36.5 8.2,34 v1(9.323,32.877)
DDR_CK_N: R700.1 U300.M2 U800.K7 U801.K7 | length 77.1
  L1 (Sig) w0.1: v1(33.723,23.777) U300.M2@34.123,23.377
  L4 (Sig) w0.1: v1(17.823,14.927) 17.88,14.927 18.073,15.12 18.073,15.327 18.423,15.677 19.464,15.677 19.523,15.736 19.523,16.219 19.464,16.277 18.999,16.277 18.323,16.953 18.323,19.927 18.723,20.327 18.723,30.053 18.323,30.453 18.323,30.727 v1(17.823,31.227)
  L6 (Sig) w0.1: v1(17.823,14.927) 17.89,14.927 18.073,15.11 18.073,15.317 18.533,15.777 25.523,15.777 26.423,14.877 26.883,14.877 26.933,14.877 26.991,14.936 26.991,15.182 27.021,15.212 27.561,15.212 27.591,15.182 27.591,14.936 27.65,14.877 27.883,14.877 28.623,14.877 29.123,15.377 29.123,15.568 29.123,15.706 29.064,15.765 28.624,15.765 28.418,15.97 28.418,16.759 28.624,16.965 29.388,16.965 29.418,16.995 29.418,17.535 29.388,17.565 28.624,17.565 28.418,17.77 28.418,18.559 28.624,18.765 29.064,18.765 29.123,18.823 29.123,19.918 29.123,22.601 29.499,22.977 30.247,22.977 30.671,22.553 30.671,20.119 30.947,19.843 30.947,14.012 30.613,13.677 25.881,13.677 25.823,13.619 25.823,13.377 25.923,13.277 31.123,13.277 31.523,13.677 31.523,22.301 31.799,22.577 33.223,22.577 33.973,23.327 33.973,23.527 v1(33.723,23.777)
  L8 (Sig) w0.4: R700.1@17.81,31.85 17.823,31.837 v1(17.823,31.227)
DDR_CK_P: R700.2 U300.L2 U800.J7 U801.J7 | length 76.4
  L1 (Sig) w0.1: U300.L2@34.123,24.177 v1(34.523,23.777)
  L4 (Sig) w0.1: v1(18.623,14.927) 18.566,14.927 18.373,15.12 18.373,15.203 18.541,15.371 18.566,15.396 19.607,15.396 19.823,15.612 19.823,16.343 19.588,16.577 19.123,16.577 18.623,17.077 18.623,19.803 19.023,20.203 19.023,30.177 18.623,30.577 v1(18.623,31.227)
  L6 (Sig) w0.1: v1(18.623,14.927) 18.555,14.927 18.373,15.11 18.373,15.192 18.658,15.477 25.399,15.477 26.299,14.577 28.747,14.577 29.423,15.253 29.423,15.568 29.423,15.83 29.188,16.065 28.748,16.065 28.718,16.095 28.718,16.635 28.748,16.665 29.512,16.665 29.718,16.87 29.718,17.659 29.512,17.865 28.748,17.865 28.718,17.895 28.718,18.435 28.748,18.465 29.188,18.465 29.423,18.699 29.423,19.918 29.423,22.477 29.623,22.677 30.123,22.677 30.371,22.429 30.371,19.995 30.647,19.719 30.647,14.136 30.588,14.077 25.757,14.077 25.523,13.843 25.523,13.253 25.799,12.977 31.247,12.977 31.823,13.553 31.823,22.177 31.923,22.277 33.347,22.277 34.273,23.203 34.273,23.527 v1(34.523,23.777)
  L8 (Sig) w0.4: v1(18.623,31.227) 18.623,31.783 R700.2@18.69,31.85
DDR_CKE: R701.1 U300.N3 U800.K9 U801.K9 | length 92.5
  L4 (Sig) w0.1: v1@17.823,13.377 17.823,13.629 17.471,13.981 17.471,16.825 17.823,17.177 17.823,17.704 17.471,18.056 17.471,19.725 18.223,20.477 18.223,26.68 18.223,26.731 18.164,26.789 18.103,26.789 18.073,26.819 18.073,27.059 18.103,27.089 18.343,27.089 18.373,27.119 18.373,27.359 18.343,27.389 18.103,27.389 18.073,27.419 18.073,27.659 18.103,27.689 18.343,27.689 18.373,27.719 18.373,27.959 18.343,27.989 18.103,27.989 18.073,28.019 18.073,28.259 18.103,28.289 18.343,28.289 18.373,28.319 18.373,28.559 18.343,28.589 18.281,28.589 18.223,28.648 18.223,28.977 18.223,29.227 v1(17.823,29.627)
  L6 (Sig) w0.1: v1(17.823,13.327) 17.823,11.836 17.881,11.777 19.223,11.777 19.852,11.777 19.911,11.836 19.911,12.474 19.956,12.519 20.166,12.519 20.211,12.474 20.211,11.762 20.256,11.717 20.466,11.717 20.511,11.762 20.511,12.474 20.556,12.519 20.766,12.519 20.811,12.474 20.811,11.762 20.856,11.717 21.066,11.717 21.111,11.762 21.111,12.474 21.156,12.519 21.366,12.519 21.411,12.474 21.411,11.762 21.456,11.717 21.666,11.717 21.711,11.762 21.711,12.474 21.756,12.519 21.966,12.519 22.011,12.474 22.011,11.762 22.056,11.717 22.266,11.717 22.311,11.762 22.311,12.474 22.356,12.519 22.566,12.519 22.611,12.474 22.611,11.762 22.656,11.717 22.866,11.717 22.911,11.762 22.911,12.474 22.956,12.519 23.166,12.519 23.211,12.474 23.211,11.762 23.256,11.717 23.466,11.717 23.511,11.762 23.511,12.474 23.556,12.519 23.766,12.519 23.811,12.474 23.811,11.762 23.856,11.717 24.066,11.717 24.111,11.762 24.111,12.474 24.156,12.519 24.366,12.519 24.411,12.474 24.411,11.762 24.456,11.717 24.666,11.717 24.711,11.762 24.711,12.474 24.756,12.519 24.966,12.519 25.011,12.474 25.011,11.762 25.056,11.717 25.266,11.717 25.311,11.762 25.311,12.474 25.356,12.519 25.566,12.519 25.611,12.474 25.611,11.762 25.656,11.717 25.866,11.717 25.911,11.762 25.911,12.474 25.956,12.519 26.166,12.519 26.211,12.474 26.211,11.762 26.256,11.717 26.466,11.717 26.511,11.762 26.511,12.474 26.556,12.519 26.766,12.519 26.811,12.474 26.811,11.762 26.856,11.717 27.066,11.717 27.111,11.762 27.111,12.474 27.156,12.519 27.366,12.519 27.411,12.474 27.411,11.762 27.456,11.717 27.666,11.717 27.711,11.762 27.711,12.474 27.756,12.519 27.966,12.519 28.011,12.474 28.011,11.762 28.056,11.717 28.266,11.717 28.311,11.762 28.311,12.474 28.356,12.519 28.566,12.519 28.611,12.474 28.611,11.762 28.656,11.717 28.866,11.717 28.911,11.762 28.911,12.474 28.956,12.519 29.166,12.519 29.211,12.474 29.211,11.762 29.256,11.717 29.466,11.717 29.511,11.762 29.511,12.474 29.556,12.519 29.766,12.519 29.811,12.474 29.811,11.762 29.856,11.717 30.066,11.717 30.111,11.762 30.111,12.474 30.156,12.519 30.366,12.519 30.411,12.474 30.411,11.762 30.456,11.717 30.666,11.717 30.711,11.762 30.711,12.474 30.756,12.519 30.966,12.519 31.011,12.474 31.011,11.762 31.056,11.717 31.266,11.717 31.311,11.762 31.311,12.474 31.356,12.519 31.566,12.519 31.611,12.474 31.611,11.836 31.669,11.777 32.019,11.777 32.148,11.777 32.207,11.836 32.207,21.819 32.265,21.877 33.523,21.877 34.223,22.577 v1(34.923,22.577)
  L8 (Sig) w0.1: R701.1@5.38,23.25 11.446,23.25 v1(17.823,29.627)
DDR_DM0: U300.A1 U800.D3 | length 17.9
  L1 (Sig) w0.1: U800.D3@22.623,34.427 22.623,33.294 22.681,33.236 26.35,33.236 26.583,33.236 26.641,33.294 26.641,33.544 26.671,33.574 26.911,33.574 26.941,33.544 26.941,33.257 26.971,33.227 27.211,33.227 27.241,33.257 27.241,33.544 27.271,33.574 27.511,33.574 27.541,33.544 27.541,33.257 27.571,33.227 27.811,33.227 27.841,33.257 27.841,33.544 27.871,33.574 28.111,33.574 28.141,33.544 28.141,33.257 28.171,33.227 28.411,33.227 28.441,33.257 28.441,33.544 28.471,33.574 28.711,33.574 28.741,33.544 28.741,33.257 28.771,33.227 29.011,33.227 29.041,33.257 29.041,33.544 29.071,33.574 29.311,33.574 29.341,33.544 29.341,33.257 29.371,33.227 29.611,33.227 29.641,33.257 29.641,33.544 29.671,33.574 29.911,33.574 29.941,33.544 29.941,33.257 29.971,33.227 30.211,33.227 30.241,33.257 30.241,33.544 30.271,33.574 30.511,33.574 30.541,33.544 30.541,33.257 30.571,33.227 30.811,33.227 30.841,33.257 30.841,33.544 30.871,33.574 31.111,33.574 31.141,33.544 31.141,33.257 31.171,33.227 31.411,33.227 31.441,33.257 31.441,33.544 31.471,33.574 31.711,33.574 31.741,33.544 31.741,33.294 31.8,33.236 32.15,33.236 32.264,33.236 U300.A1@33.323,32.177
DDR_DM1: U300.F1 U800.E7 | length 19
  L1 (Sig) w0.1: v1(29.155,27.217) 29.155,27.219 29.419,27.483 29.419,27.574 29.568,27.722 32.868,27.722 U300.F1@33.323,28.177
  L8 (Sig) w0.1: v1(21.823,31.227) 22.171,31.575 24.825,31.575 24.95,31.45 24.985,31.415 25.068,31.415 25.213,31.559 25.255,31.559 25.425,31.39 25.425,31.347 25.237,31.159 25.237,31.117 25.407,30.947 25.449,30.947 25.637,31.135 25.68,31.135 25.849,30.965 25.849,30.923 25.661,30.735 25.661,30.693 25.831,30.523 25.874,30.523 26.062,30.711 26.104,30.711 26.274,30.541 26.274,30.499 26.086,30.311 26.086,30.268 26.255,30.099 26.298,30.099 26.486,30.287 26.528,30.287 26.698,30.117 26.698,30.075 26.51,29.887 26.51,29.844 26.68,29.674 26.722,29.674 26.91,29.862 26.952,29.862 27.122,29.693 27.122,29.65 26.934,29.462 26.934,29.42 27.104,29.25 27.146,29.25 27.334,29.438 27.377,29.438 27.546,29.268 27.546,29.226 27.359,29.038 27.359,28.996 27.528,28.826 27.571,28.826 27.759,29.014 27.801,29.014 27.971,28.844 27.971,28.802 27.783,28.614 27.783,28.571 27.953,28.402 27.995,28.402 28.183,28.59 28.225,28.59 28.395,28.42 28.395,28.377 28.207,28.19 28.207,28.147 28.377,27.977 28.419,27.977 28.607,28.165 28.65,28.165 28.819,27.996 28.819,27.953 28.674,27.808 28.674,27.726 28.913,27.488 29.155,27.245 v1(29.155,27.217)
DDR_DM2: U300.T1 U801.E7 | length 17.9
  L1 (Sig) w0.1: v1(30.023,18.677) 30.423,18.677 31.923,20.177 U300.T1@33.323,20.177
  L8 (Sig) w0.1: v1(21.823,14.927) 22.471,15.575 22.55,15.575 22.9,15.575 22.959,15.516 22.959,15.232 22.989,15.202 23.229,15.202 23.259,15.232 23.259,15.57 23.289,15.6 23.529,15.6 23.559,15.57 23.559,15.232 23.589,15.202 23.829,15.202 23.859,15.232 23.859,15.57 23.889,15.6 24.129,15.6 24.159,15.57 24.159,15.232 24.189,15.202 24.429,15.202 24.459,15.232 24.459,15.57 24.489,15.6 24.729,15.6 24.759,15.57 24.759,15.232 24.789,15.202 25.029,15.202 25.059,15.232 25.059,15.57 25.089,15.6 25.329,15.6 25.359,15.57 25.359,15.232 25.389,15.202 25.629,15.202 25.659,15.232 25.659,15.57 25.689,15.6 25.929,15.6 25.959,15.57 25.959,15.232 25.989,15.202 26.229,15.202 26.259,15.232 26.259,15.516 26.317,15.575 26.647,15.575 26.921,15.575 v1(30.023,18.677)
DDR_DM3: U300.Y1 U801.D3 | length 15.7
  L1 (Sig) w0.1: U801.D3@22.623,18.127 22.623,17.577 23.723,16.477 25.623,16.477 27.425,14.675 29.484,14.675 29.78,14.675 29.839,14.734 29.839,14.941 29.869,14.971 30.109,14.971 30.139,14.941 30.139,14.65 30.169,14.62 30.409,14.62 30.439,14.65 30.439,14.941 30.469,14.971 30.709,14.971 30.739,14.941 30.739,14.65 30.769,14.62 31.009,14.62 31.039,14.65 31.039,14.941 31.069,14.971 31.309,14.971 31.339,14.941 31.339,14.734 31.397,14.675 31.748,14.675 32,14.675 33.323,15.998 U300.Y1@33.323,16.977
DDR_DQ0: U300.C3 U800.C3 | length 17.9
  L1 (Sig) w0.1: U800.C3@23.423,34.427 23.9,33.95 25.623,33.95 26.223,34.55 28.645,34.55 28.695,34.55 28.753,34.609 28.753,34.831 28.783,34.861 29.023,34.861 29.053,34.831 29.053,34.577 29.083,34.547 29.323,34.547 29.353,34.577 29.353,34.831 29.383,34.861 29.623,34.861 29.653,34.831 29.653,34.577 29.683,34.547 29.923,34.547 29.953,34.577 29.953,34.831 29.983,34.861 30.223,34.861 30.253,34.831 30.253,34.577 30.283,34.547 30.523,34.547 30.553,34.577 30.553,34.831 30.583,34.861 30.823,34.861 30.853,34.831 30.853,34.577 30.883,34.547 31.123,34.547 31.153,34.577 31.153,34.831 31.183,34.861 31.423,34.861 31.453,34.831 31.453,34.577 31.483,34.547 31.723,34.547 31.753,34.577 31.753,34.831 31.783,34.861 32.023,34.861 32.053,34.831 32.053,34.609 32.112,34.55 32.725,34.55 32.75,34.55 34.523,32.777 34.523,30.977 U300.C3@34.923,30.577
DDR_DQ1: U300.B3 U800.A3 | length 16
  L1 (Sig) w0.1: U800.A3@25.023,34.427 25.846,35.25 29.306,35.25 29.356,35.25 29.415,35.309 29.415,35.501 29.445,35.531 29.685,35.531 29.715,35.501 29.715,35.24 29.745,35.21 29.985,35.21 30.015,35.24 30.015,35.501 30.045,35.531 30.285,35.531 30.315,35.501 30.315,35.24 30.345,35.21 30.585,35.21 30.615,35.24 30.615,35.501 30.645,35.531 30.885,35.531 30.915,35.501 30.915,35.24 30.945,35.21 31.185,35.21 31.215,35.24 31.215,35.501 31.245,35.531 31.485,35.531 31.515,35.501 31.515,35.24 31.545,35.21 31.785,35.21 31.815,35.24 31.815,35.501 31.845,35.531 32.085,35.531 32.115,35.501 32.115,35.309 32.173,35.25 32.25,35.25 32.95,35.25 35.323,32.877 35.323,31.777 U300.B3@34.923,31.377
DDR_DQ2: U300.A2 U800.C2 | length 18.1
  L1 (Sig) w0.1: U800.C2@23.423,35.227 23.023,34.827 23.023,34.177 23.55,33.65 25.85,33.65 26.15,33.95 26.35,33.95 26.583,33.95 26.641,34.009 26.641,34.216 26.671,34.246 26.911,34.246 26.941,34.216 26.941,33.977 26.971,33.947 27.211,33.947 27.241,33.977 27.241,34.216 27.271,34.246 27.511,34.246 27.541,34.216 27.541,33.977 27.571,33.947 27.811,33.947 27.841,33.977 27.841,34.216 27.871,34.246 28.111,34.246 28.141,34.216 28.141,33.977 28.171,33.947 28.411,33.947 28.441,33.977 28.441,34.216 28.471,34.246 28.711,34.246 28.741,34.216 28.741,33.977 28.771,33.947 29.011,33.947 29.041,33.977 29.041,34.216 29.071,34.246 29.311,34.246 29.341,34.216 29.341,33.977 29.371,33.947 29.611,33.947 29.641,33.977 29.641,34.216 29.671,34.246 29.911,34.246 29.941,34.216 29.941,33.977 29.971,33.947 30.211,33.947 30.241,33.977 30.241,34.216 30.271,34.246 30.511,34.246 30.541,34.216 30.541,33.977 30.571,33.947 30.811,33.947 30.841,33.977 30.841,34.216 30.871,34.246 31.111,34.246 31.141,34.216 31.141,33.977 31.171,33.947 31.411,33.947 31.441,33.977 31.441,34.216 31.471,34.246 31.711,34.246 31.741,34.216 31.741,34.009 31.8,33.95 32.15,33.95 32.35,33.95 32.65,33.65 U300.A2@34.123,32.177
DDR_DQ3: U300.A4 U800.A2 | length 14.4
  L1 (Sig) w0.1: U800.A2@25.023,35.227 25.746,35.95 30.93,35.95 30.98,35.95 31.039,36.009 31.039,36.266 31.069,36.296 31.308,36.296 31.338,36.266 31.338,35.978 31.368,35.948 31.608,35.948 31.638,35.978 31.638,36.266 31.668,36.296 31.908,36.296 31.938,36.266 31.938,36.009 31.997,35.95 32.539,35.95 33.05,35.95 35.723,33.277 U300.A4@35.723,32.177